# KiCad board RS64c.kicad_pcb (continued)
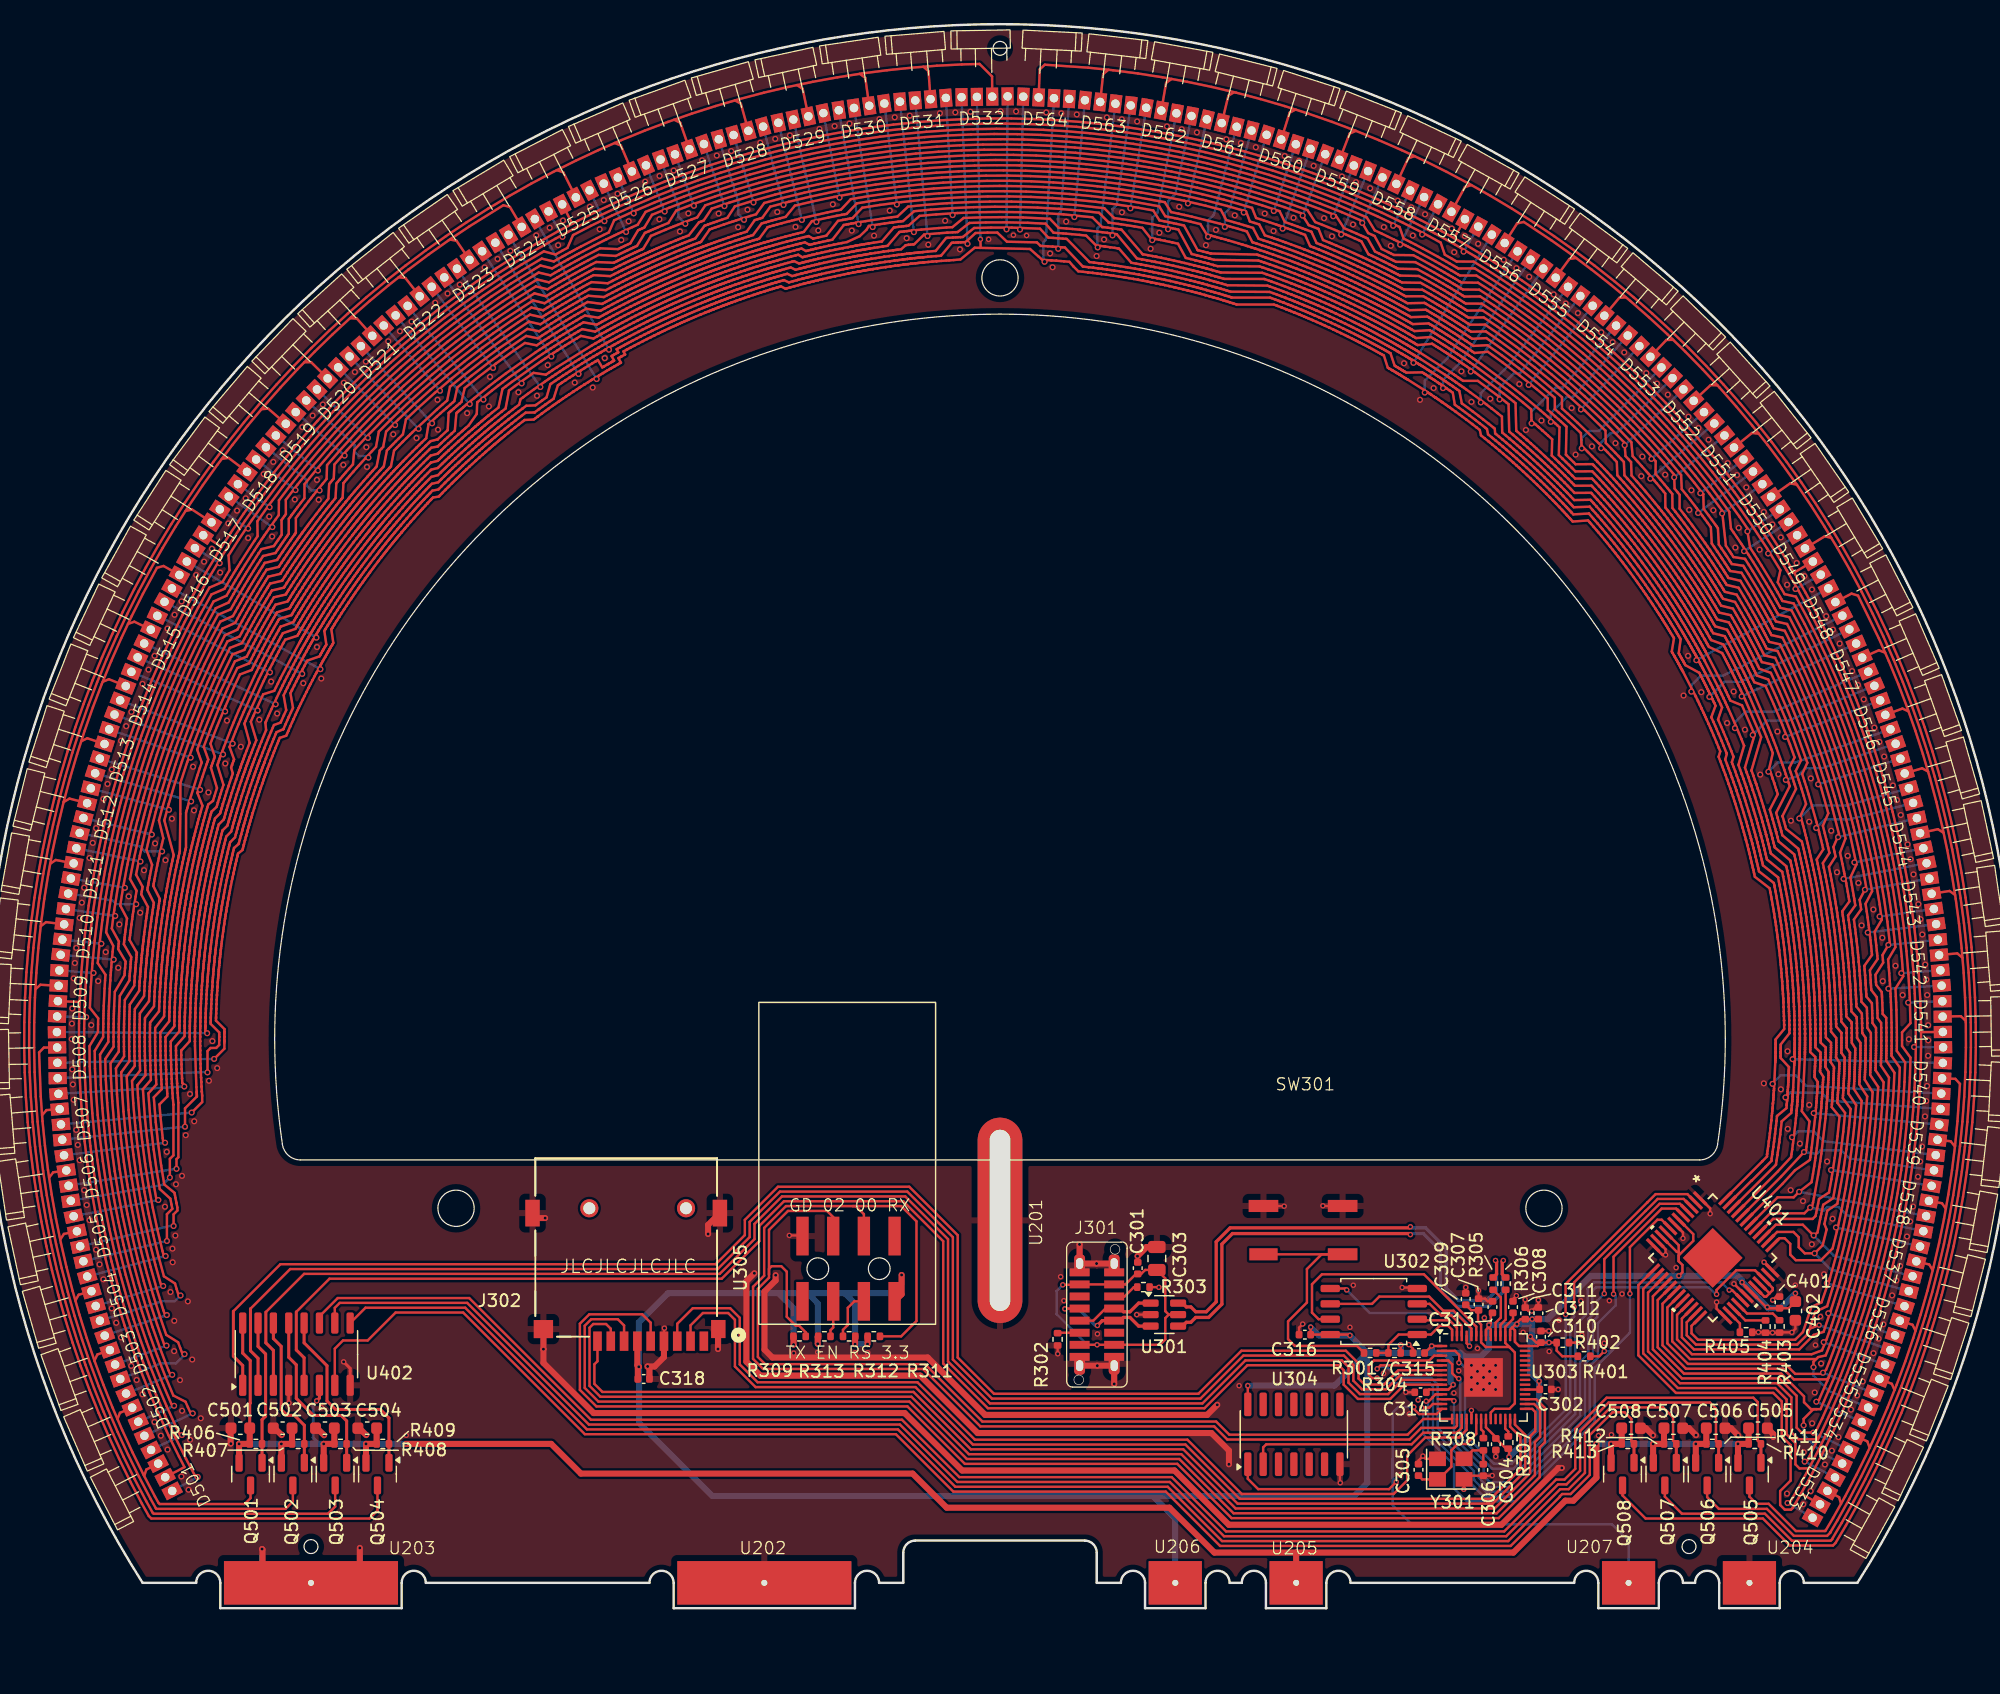
[diagram p0: board, top side]
## Routing (per net, layer and track width the routed paths; a pad name or vN(x,y) marks a point on that pad's centre or on a via; arc(x,y) is an arc through that point) (continued)
  Bottom w0.2: v2(18.99,45.46) 18.84,45.46 D508.3 ; D548.3 143.81,77.17 142.1,77.17 142.08,77.15 141.95,77.15 141.19,76.39 v2(141.19,75.86) ; D524.3 v2(50.63,101.73) ; v2(147.91,43.4) 147.91,43.43 148.58,44.1 149.82,44.1 150.68,43.24 D540.3 ; D532.3 82.34,114.72 v1(82.38,113.3) ; D516.3 v2(27.78,77.72) ; D564.3 87.79,113.25 87.59,113.05 87.59,111.53 v2(87.69,111.43) ; D556.3 121.04,103.5 121.04,103.49 119.14,101.59 v2(119.14,100.61)
LED_r07: length 130
  Top w0.2: U402.7 28.97,21.48 29.65,22.16 31.69,22.16 34,24.47 39.59,24.47 49.66,14.4 75.39,14.4 80.14,9.65 97.71,9.65 102.2,5.16 126.24,5.16 130.32,9.23 130.32,9.27 130.5,9.45 131.21,9.45 132.79,11.03 132.79,14.33 134.68,16.22 135.67,16.22 136.23,15.66 136.23,13.82 R413.2
  Top w0.25: R413.2 Q508.1
OE: length 62.4
  Top w0.2: U401.32 146.48,26.54 147.24,25.78 147.38,25.78 147.66,26.06 ; 147.66,26.06 146.83,26.89 U401.33 ; 147.66,26.06 147.92,26.33 147.92,26.5 147.18,27.24 U401.34 146.46,27.97 144.91,27.97 143.28,26.34 v1(143.28,25.98) ; U303.5 115.49,20.1 v1(115.21,19.82)
  Bottom w0.2: v1(143.28,25.98) 143.22,25.98 142.64,26.56 133.3,26.56 133.01,26.27 133.01,24.27 132.66,23.93 132.66,21.06 131.99,20.39 131.99,15.91 126.12,10.04 124.35,10.04 123.61,10.78 123.61,11.51 120.21,14.91 120.21,18.52 119.7,19.03 116.92,19.03 115.99,19.96 115.35,19.96 v1(115.21,19.82)
row0: length 128.3
  Top w0.2: 20.58,24.58 24.47,28.47 60.48,28.47 62.89,30.88 62.89,32.14 65.63,34.88 76.5,34.88 80.5,30.88 80.5,20.75 83.5,17.75 100.41,17.75 103.97,21.31 112.61,21.31 113.66,20.26 113.66,19.01 114.15,18.52 115.77,18.52 116.95,19.7 U303.6
  Top w0.25: U402.1 21.35,20.09 20.58,20.86 20.58,24.58
row1: length 126.8
  Top w0.2: U303.7 117.12,19.3 115.94,18.12 113.94,18.12 113.23,18.83 113.23,20.12 112.44,20.91 104.14,20.91 100.58,17.35 83.34,17.35 80.1,20.58 80.1,30.71 76.33,34.48 65.8,34.48 63.29,31.97 63.29,30.71 60.65,28.07 25.28,28.07 21.99,24.79
  Top w0.25: U402.2 22.62,20.68 21.99,21.3 21.99,24.79
row2: length 125.2
  Top w0.2: 23.26,24.51 26.43,27.67 60.81,27.67 63.69,30.55 63.69,31.81 65.96,34.08 76.16,34.08 79.7,30.54 79.7,20.42 83.17,16.95 100.74,16.95 104.3,20.51 112.28,20.51 112.83,19.96 112.83,18.67 113.78,17.72 116.11,17.72 117.29,18.9 U303.8
  Top w0.25: 23.26,24.51 23.26,21.96 23.89,21.34 U402.3
row3: length 122.5
  Top w0.2: U303.9 117.46,18.5 116.28,17.32 113.61,17.32 112.43,18.5 112.43,19.7 112.02,20.11 104.47,20.11 100.91,16.55 83,16.55 79.3,20.25 79.3,30.38 76,33.68 66.13,33.68 64.09,31.64 64.09,30.38 60.98,27.27 28.53,27.27 25.78,24.53
  Top w0.25: U402.5 26.43,20.73 25.78,21.38 25.78,24.53
SD_CLK: length 106.5
  Top w0.2: J302.5 55.1,23.63 54.41,24.32 50.02,24.32 49.24,23.55 49.24,18.07 50.61,16.7 76.34,16.7 81.09,11.95 98.66,11.95 103.16,7.45 125.25,7.45 128.65,10.85 128.65,13.31 129.08,13.74 129.08,16.57 128.35,17.3 U303.31
SD_CMD: length 101.4
  Top w0.2: J302.3 52.9,23.4 52.38,23.92 50.18,23.92 49.64,23.38 49.64,18.23 50.78,17.1 76.51,17.1 81.26,12.35 98.83,12.35 103.32,7.86 125.09,7.86 128.25,11.02 128.25,13.75 128.68,14.18 128.68,16.41 128.19,16.9 U303.30
SD_DAT0: length 80.2
  Top w0.2: J302.7 57.3,23.54 58.59,24.83 61.68,24.83 62.47,24.04 62.47,20.18 63.95,18.7 77.17,18.7 81.92,13.95 99.5,13.95 103.99,9.45 116.56,9.45 117.68,10.57 117.68,12.63 119.18,14.12 121.96,14.12 122.6,14.76 U303.18
SD_DAT1: length 84.5
  Top w0.2: J302.8 58.4,23.41 59.42,24.43 61.51,24.43 62.07,23.87 62.07,20.01 63.78,18.3 77,18.3 81.76,13.55 99.34,13.55 103.83,9.05 124.59,9.05 127.05,11.51 127.05,14.18 126.2,15.03 U303.27
SD_DAT2: length 90.5
  Top w0.2: U303.28 126.6,15.19 127.45,14.34 127.45,11.35 124.76,8.66 103.65,8.66 99.16,13.15 81.59,13.15 76.84,17.9 51.11,17.9 50.44,18.57 50.44,20.18 50.7,20.44 J302.1
SD_DAT3: length 97.3
  Top w0.2: J302.2 51.8,23.13 51.41,23.52 50.35,23.52 50.04,23.21 50.04,18.4 50.94,17.5 76.67,17.5 81.42,12.75 99,12.75 103.49,8.26 124.92,8.26 127.85,11.18 127.85,14.22 128.28,14.65 128.28,16.24 128.02,16.5 U303.29
SDI: length 44.2
  Top w0.2: U401.2 140.87,34.27 138.24,34.27 137.55,33.59 137.55,33.59 133.07,29.11 ; 133.07,29.11 130.79,26.83 v1(130.79,24.31) ; U303.2 121.64,21.3 121.99,20.95 121.99,20.34 v1(121.97,20.32)
  Bottom w0.2: v1(121.97,20.32) 122.06,20.32 122.47,19.91 122.47,14.35 124.86,11.96 126.33,11.96 130.79,16.41 v1(130.79,24.31)
TF: length 46.6
  Top w0.2: v1(136.11,26.04) 136.11,29.88 138.38,32.15 138.74,32.15 139.44,31.45 U401.8 ; v1(118.88,16.59) 119.5,16.59 119.81,16.9 U303.13 ; R401.2 133.57,20.85 v1(133.99,21.27)
  Bottom w0.2: 134.62,21.33 136.11,22.81 v1(136.11,26.04) ; 134.62,21.33 134.57,21.27 v1(133.99,21.27) ; 134.62,21.33 133.19,19.89 133.19,15.41 126.62,8.84 122.63,8.84 121.56,9.91 121.56,11.87 119.01,14.42 119.01,16.47 v1(118.88,16.59)
Net-(D501-A): length 61.2
  Top w0.2: 7.5,25.45 7.78,25.94 D504.2 ; D508.2 4.9,46.4 4.51,46 4.64,42.35 4.79,40.31 4.99,38.28 5.24,36.25 5.55,34.24 5.9,32.23 6.31,30.23 6.77,28.24 7.28,26.26 7.84,24.3 8.45,22.35 9.11,20.42 9.82,18.51 10.58,16.61 11.38,14.74 12.24,12.89 13.14,11.06 14.09,9.25 14.38,8.72 14.48,8.62 21.51,8.62 22,9.11 Q501.3 ; 6.25,30.5 6.56,30.98 D505.2 ; 10.99,15.65 11.2,16.17 D502.2 ; D503.2 9.33,21 9.08,20.49 ; D506.2 5.67,36.08 5.33,35.63 ; 13.2,10.94 13.38,11.47 D501.2 ; 4.75,40.8 5.12,41.23 D507.2
Net-(D509-A): length 110.8
  Top w0.2: D509.2 4.62,51.6 4.2,51.22 ; D514.2 10.28,76.89 9.76,76.67 ; 5.42,61.61 5.88,61.93 D511.2 ; 6.54,66.72 7.02,67.01 D512.2 ; D513.2 8.49,72 7.98,71.74 ; 11.85,81.46 12.39,81.65 D515.2 ; 4.64,56.44 5.08,56.78 D510.2 ; Q502.3 25.5,8.83 24.89,8.22 14.21,8.22 14.17,8.27 13.73,9.05 12.77,10.87 11.87,12.71 11.01,14.57 10.2,16.46 9.44,18.36 8.72,20.29 8.06,22.23 7.45,24.18 6.88,26.16 6.37,28.14 5.91,30.14 5.5,32.15 5.14,34.17 4.84,36.2 4.58,38.23 4.38,40.28 4.23,42.32 4.14,44.37 4.09,46.42 4.1,48.47 4.16,50.52 4.28,52.57 4.44,54.62 4.66,56.66 4.93,58.69 5.26,60.71 5.63,62.73 6.06,64.74 6.54,66.73 7.07,68.71 7.65,70.68 8.28,72.63 8.96,74.57 9.69,76.48 10.47,78.38 11.29,80.26 12.17,82.11 13.09,83.95 14.26,86.11 14.8,86.26 D516.2
Net-(D517-A): length 161
  Top w0.2: 26.44,103.12 27.01,103.13 D520.2 ; 16.62,90.81 17.17,90.93 D517.2 ; D523.2 39.04,113.17 38.48,113.28 ; 34.25,110.16 34.81,110.09 D522.2 ; Q503.3 29,8.41 28.41,7.82 13.98,7.82 13.9,7.9 13.37,8.86 12.41,10.68 11.5,12.53 10.63,14.41 9.82,16.3 9.05,18.21 8.34,20.15 7.67,22.1 7.05,24.07 6.49,26.05 5.97,28.04 5.51,30.05 5.1,32.07 4.74,34.1 4.43,36.14 4.18,38.19 3.97,40.24 3.82,42.3 3.73,44.36 3.68,46.42 3.69,48.48 3.75,50.54 3.87,52.6 4.04,54.65 4.26,56.7 4.53,58.75 4.85,60.78 5.23,62.81 5.66,64.83 6.14,66.83 6.67,68.82 7.26,70.8 7.89,72.76 8.57,74.71 9.31,76.64 10.09,78.54 10.92,80.43 11.8,82.29 12.73,84.14 13.7,85.95 14.72,87.74 15.79,89.51 16.9,91.25 18.05,92.95 19.25,94.63 20.49,96.28 21.78,97.89 23.1,99.47 24.47,101.02 25.87,102.53 27.31,104 28.79,105.44 30.31,106.84 31.86,108.19 33.44,109.51 35.06,110.79 36.71,112.02 38.39,113.22 40.11,114.37 42.91,116.11 43.46,115.97 D524.2 ; D518.2 20.18,95.21 19.62,95.13 ; 22.9,99.24 23.46,99.28 D519.2 ; D521.2 30.79,106.74 30.23,106.77
Net-(D525-A): length 211.1
  Top w0.2: 62.07,124.79 62.56,124.52 D528.2 ; D530.2 72.86,126.65 72.4,126.99 ; 77.66,127.58 78.08,127.21 D531.2 ; 67.2,126.06 67.67,125.75 D529.2 ; 47.33,119.02 47.87,118.84 D525.2 ; D527.2 57.54,122.95 57.03,123.19 ; 52.11,121.27 52.64,121.05 D526.2 ; D532.2 83.34,126.77 82.31,127.81 82.27,127.81 80.85,127.77 78.78,127.66 76.71,127.5 74.65,127.29 72.59,127.02 70.55,126.7 68.51,126.33 66.48,125.91 64.46,125.43 62.46,124.9 60.47,124.32 58.49,123.69 56.54,123.01 54.6,122.29 52.68,121.51 50.78,120.68 48.9,119.8 47.04,118.88 45.21,117.9 43.41,116.88 41.63,115.82 39.88,114.71 38.16,113.55 36.47,112.36 34.81,111.11 33.18,109.83 31.59,108.51 30.03,107.14 28.51,105.74 27.02,104.29 25.57,102.81 24.16,101.29 22.79,99.74 21.46,98.15 20.17,96.53 18.92,94.87 17.72,93.19 16.56,91.47 15.44,89.73 14.37,87.95 13.34,86.15 12.36,84.33 11.43,82.47 10.55,80.6 9.71,78.7 8.93,76.79 8.19,74.85 7.5,72.89 6.86,70.92 6.28,68.93 5.74,66.93 5.26,64.92 4.83,62.89 4.45,60.85 4.12,58.81 3.85,56.75 3.63,54.69 3.46,52.63 3.34,50.56 3.28,48.49 3.27,46.41 3.32,44.34 3.41,42.27 3.56,40.21 3.77,38.14 4.02,36.09 4.33,34.04 4.69,32 5.11,29.97 5.57,27.95 6.09,25.94 6.66,23.95 7.28,21.97 7.95,20.01 8.67,18.07 9.44,16.14 10.26,14.24 11.13,12.36 12.04,10.5 13.01,8.66 13.58,7.63 13.79,7.42 31.84,7.42 32.5,8.08 Q504.3
Net-(D533-A): length 60.7
  Top w0.2: 159.75,22.96 159.48,23.46 D536.2 ; D533.2 153.42,9.18 153.58,8.64 ; Q505.3 146,9.23 146.59,8.64 147.59,8.64 149.84,6.39 152.26,6.39 152.3,6.43 152.92,7.47 153.91,9.25 154.86,11.06 155.76,12.89 156.62,14.74 157.42,16.61 158.18,18.51 158.89,20.42 159.55,22.35 160.16,24.3 160.72,26.26 161.23,28.24 161.69,30.23 162.1,32.23 162.45,34.24 162.76,36.25 163.01,38.28 163.21,40.31 163.41,43.39 163.03,43.81 D540.2 ; D537.2 160.87,28.45 161.16,27.97 ; D538.2 161.92,33.52 162.25,33.06 ; 163,38.21 162.65,38.65 D539.2 ; D534.2 155.75,13.81 155.94,13.27 ; 158,18.05 157.78,18.57 D535.2
Net-(D541-A): length 110.2
  Top w0.2: D544.2 161.59,64.48 162.06,64.17 ; D541.2 163.49,49 163.9,48.61 ; 157.23,79.08 156.7,79.28 D547.2 ; D545.2 160.28,69.51 160.78,69.24 ; D542.2 163.19,54.2 163.63,53.83 ; D543.2 162.56,59.36 163.01,59.03 ; D548.2 154.44,83.97 154.98,83.8 156.7,80.26 157.53,78.38 158.31,76.48 159.04,74.57 159.72,72.63 160.35,70.68 160.93,68.71 161.46,66.73 161.94,64.74 162.37,62.73 162.74,60.71 163.06,58.69 163.34,56.66 163.56,54.62 163.72,52.57 163.84,50.52 163.9,48.47 163.91,46.42 163.86,44.37 163.77,42.32 163.62,40.28 163.42,38.23 163.16,36.2 162.86,34.17 162.5,32.15 162.09,30.14 161.63,28.14 161.12,26.16 160.55,24.18 159.94,22.23 159.28,20.29 158.56,18.36 157.8,16.46 156.99,14.57 156.13,12.71 155.22,10.87 154.27,9.05 153.27,7.26 152.69,6.27 152.67,6.26 152.67,6.24 152.42,5.99 149.68,5.99 147.44,8.22 143.47,8.22 142.5,9.19 Q506.3 ; 159.17,74.22 158.65,74.46 D546.2
Net-(D549-A): length 160.1
  Top w0.2: D550.2 149.36,93.09 149.92,92.99 ; 139.69,104.98 139.13,104.96 D553.2 ; 131.66,111.75 131.1,111.67 D555.2 ; 152.78,88.58 152.23,88.72 D549.2 ; 146.77,97.21 146.21,97.27 D551.2 ; 135.79,108.5 135.22,108.45 D554.2 ; D556.2 126.77,114.61 127.33,114.73 129.6,113.22 131.29,112.02 132.94,110.79 134.56,109.51 136.14,108.19 137.69,106.84 139.21,105.44 140.69,104 142.13,102.53 143.53,101.02 144.9,99.47 146.22,97.89 147.5,96.28 148.75,94.63 149.94,92.95 151.1,91.25 152.21,89.51 153.28,87.74 154.3,85.95 155.27,84.14 156.2,82.29 157.08,80.43 157.91,78.54 158.69,76.64 159.43,74.71 160.11,72.76 160.74,70.8 161.33,68.82 161.86,66.83 162.34,64.83 162.77,62.81 163.15,60.78 163.47,58.75 163.74,56.7 163.96,54.65 164.13,52.6 164.25,50.54 164.31,48.48 164.32,46.42 164.27,44.36 164.18,42.3 164.03,40.24 163.82,38.19 163.57,36.14 163.26,34.1 162.9,32.07 162.49,30.05 162.03,28.04 161.51,26.05 160.95,24.07 160.33,22.1 159.66,20.15 158.95,18.21 158.18,16.3 157.36,14.41 156.5,12.53 155.59,10.68 154.63,8.86 153.63,7.06 152.84,5.73 152.84,5.71 152.72,5.59 149.51,5.59 147.28,7.82 140.41,7.82 139,9.23 Q507.3 ; 143.36,101.21 142.8,101.23 D552.2
Net-(D557-A): length 210.3
  Top w0.2: D559.2 112.92,122.04 113.44,122.27 ; 118.3,120.18 117.77,119.99 D558.2 ; 108.46,124.04 107.96,123.77 D560.2 ; 103.37,125.47 102.89,125.18 D561.2 ; D563.2 92.53,126.98 92.97,127.33 ; 98.2,126.57 97.74,126.25 D562.2 ; D564.2 87.29,127.36 87.71,127.74 91.29,127.5 93.35,127.29 95.41,127.02 97.45,126.7 99.49,126.33 101.52,125.91 103.54,125.43 105.54,124.9 107.53,124.32 109.51,123.69 111.46,123.01 113.4,122.29 115.32,121.51 117.22,120.68 119.1,119.8 120.95,118.88 122.78,117.9 124.59,116.88 126.37,115.82 128.12,114.71 129.84,113.55 131.53,112.36 133.19,111.11 134.81,109.83 136.41,108.51 137.97,107.14 139.49,105.74 140.98,104.29 142.43,102.81 143.84,101.29 145.21,99.74 146.54,98.15 147.83,96.53 149.08,94.87 150.28,93.19 151.44,91.47 152.56,89.73 153.63,87.95 154.66,86.15 155.63,84.33 156.57,82.47 157.45,80.6 158.29,78.7 159.07,76.79 159.81,74.85 160.5,72.89 161.13,70.92 161.72,68.93 162.26,66.93 162.74,64.92 163.17,62.89 163.55,60.85 163.88,58.81 164.15,56.75 164.37,54.69 164.54,52.63 164.66,50.56 164.72,48.49 164.73,46.41 164.68,44.34 164.59,42.27 164.43,40.21 164.23,38.14 163.97,36.09 163.67,34.04 163.3,32 162.89,29.97 162.42,27.95 161.91,25.94 161.34,23.95 160.72,21.97 160.05,20.01 159.33,18.07 158.56,16.14 157.74,14.24 156.87,12.36 155.96,10.5 154.99,8.66 153.98,6.85 153.12,5.4 152.91,5.19 149.35,5.19 147.11,7.42 137.41,7.42 135.5,9.33 Q508.3 ; 123,117.78 122.46,117.62 D557.2
Net-(J301-CC1): length 1.8
  Top w0.2: 88.76,22.77 88.8,22.8 90.58,22.8
Net-(J301-CC2): length 2.2
  Top w0.2: J301.B5 94.3,25.8 95.07,26.58 R303.1
Net-(R301-Pad1): length 23.2
  Top w0.2: R301.1 113.53,21.71 108.39,21.71 107.83,22.27 107.83,23.74 109.39,25.3 109.39,28.07 110.61,29.29 SW301.4 SW301.2
Net-(U305-CH_PD): length 3
  Top w0.2: R313.1 69.98,23.01 70.2,23.23 U305.6
Net-(U305-RST): length 4.1
  Top w0.2: U305.7 71.95,25.4 71.41,24.86 71.41,23.44 71.01,23.04 R312.1

## Copper pours and planes (outline as drawn; the poured copper is in the pictures)
GND on Top, Bottom, In1.Cu, In2.Cu: -25.22,148.7 190.68,148.7 190.68,-46.88 -25.22,-46.88

## Text on the board
F.Silkscreen: JLCJLCJLCJLC
